# Altium PCB Communication-Shield.PcbDoc
Units mil, origin at the board's own origin, x right, y up, seen from the top; angles counter-clockwise.
Board outline 3937.01 x 3110.24 mil, 2 copper layers (Top Layer, Bottom Layer), stack 65.792 mil thick; 99 components, 68 nets, 329 pads, 240 vias.
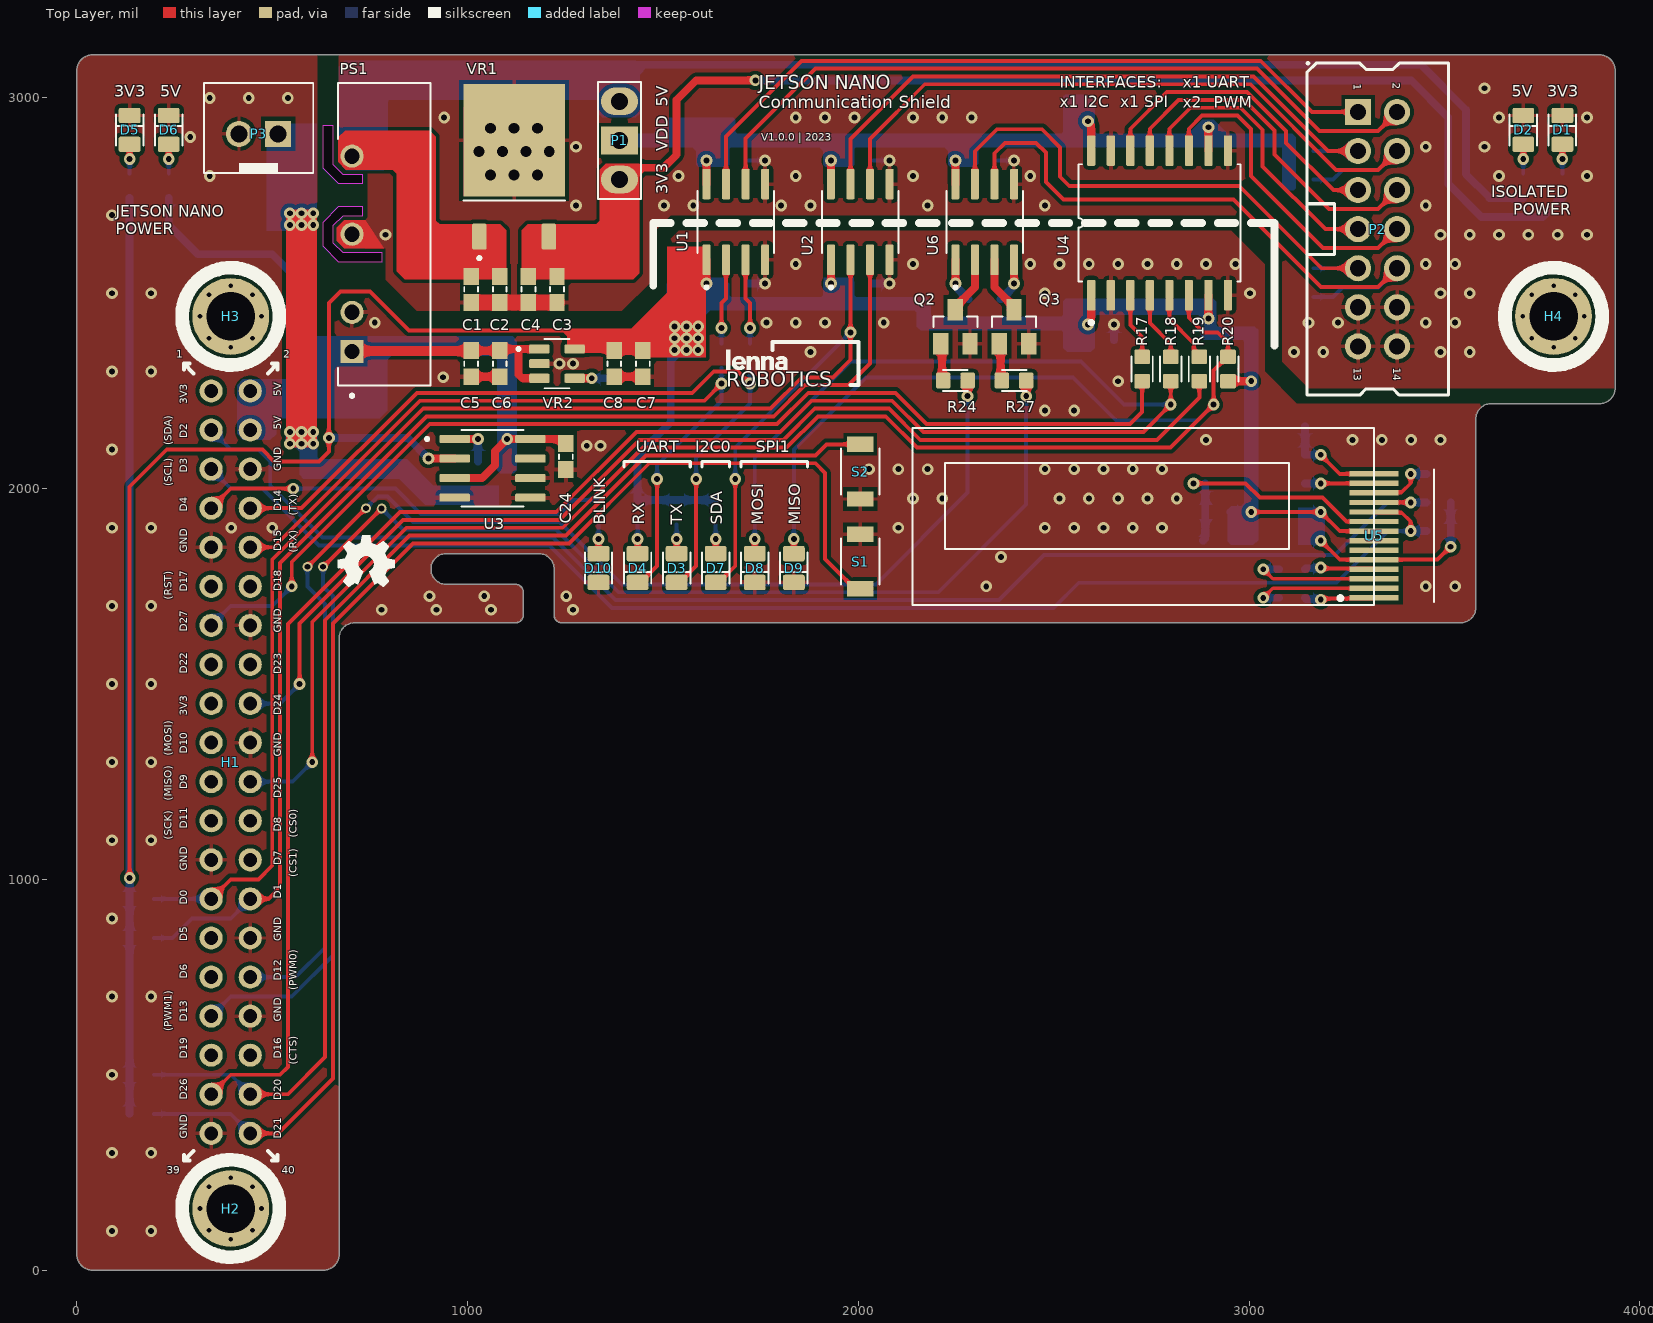
[diagram p0: Top Layer view]
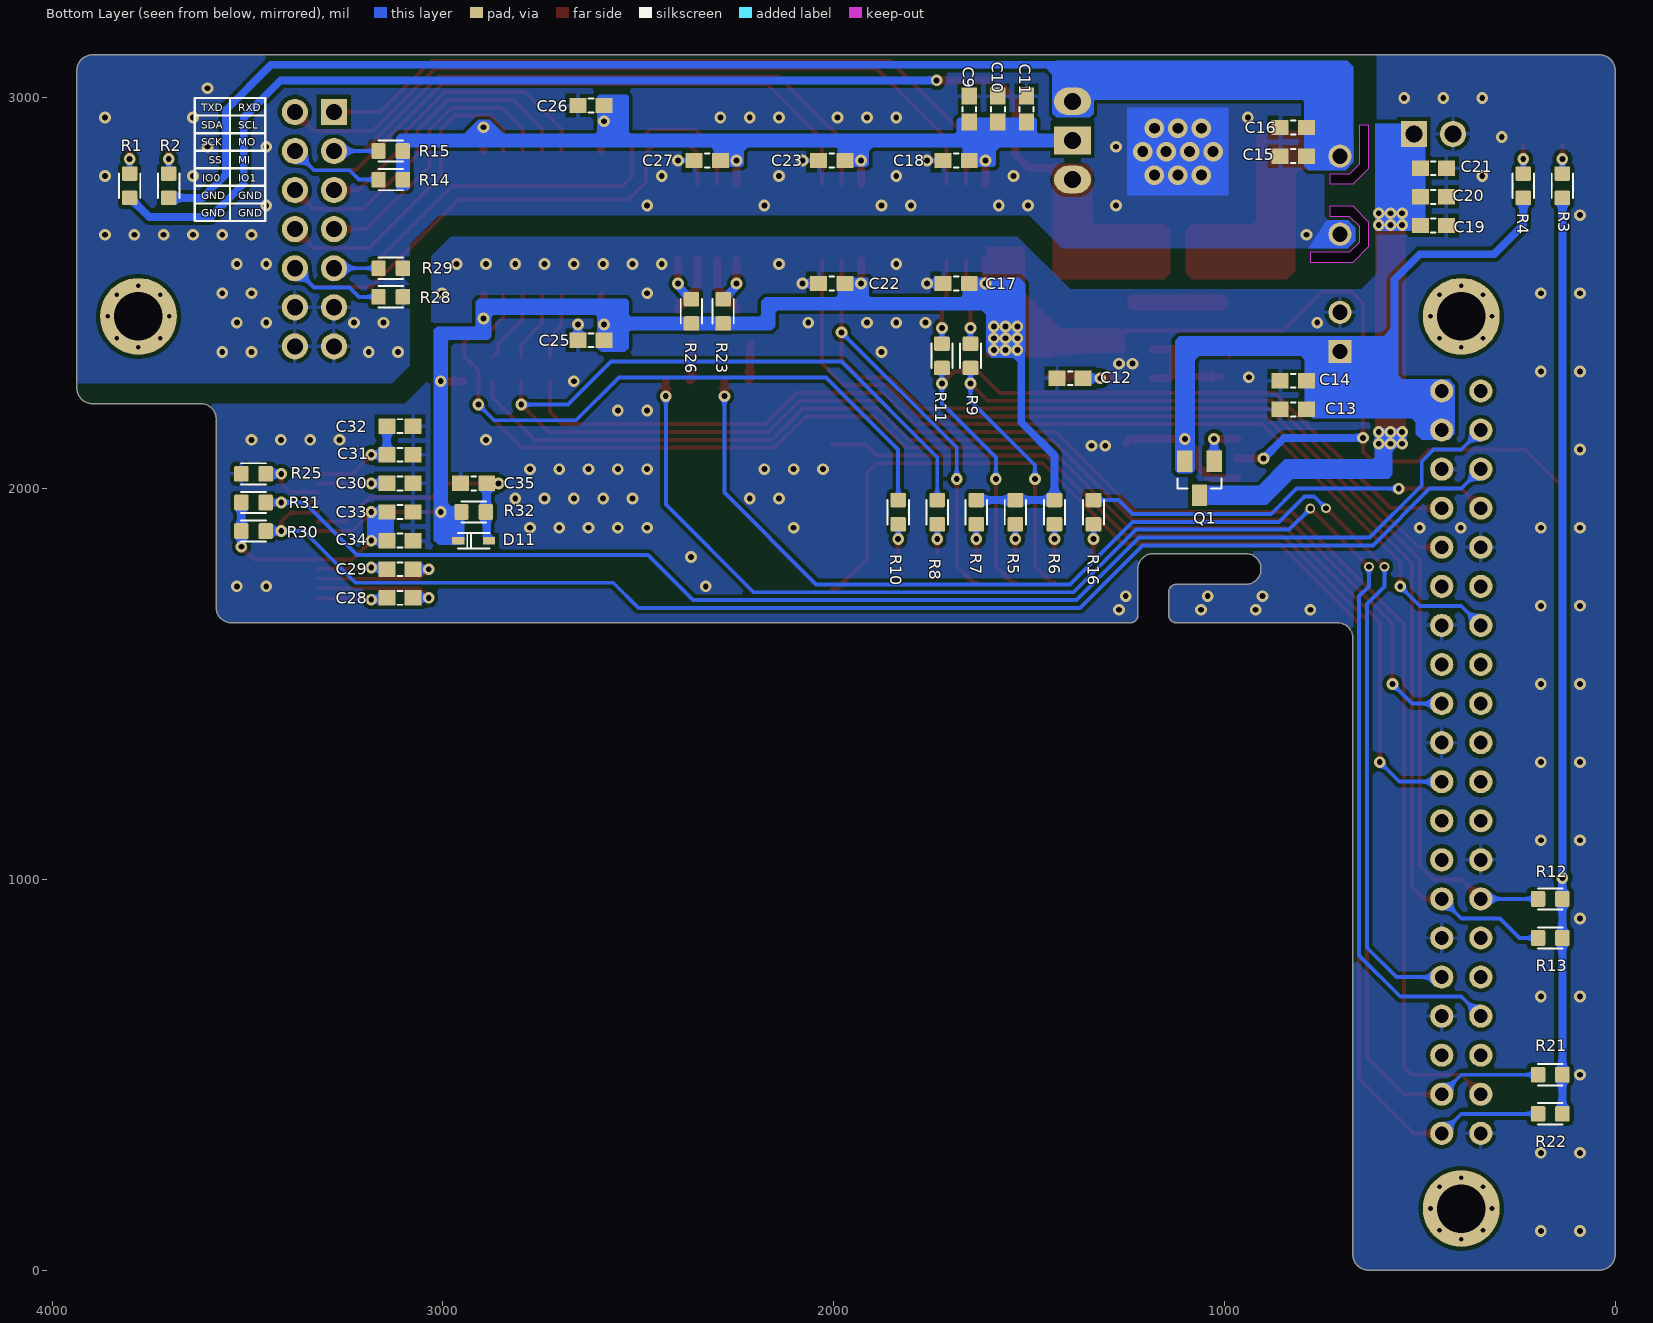
[diagram p1: Bottom Layer view, seen from below]
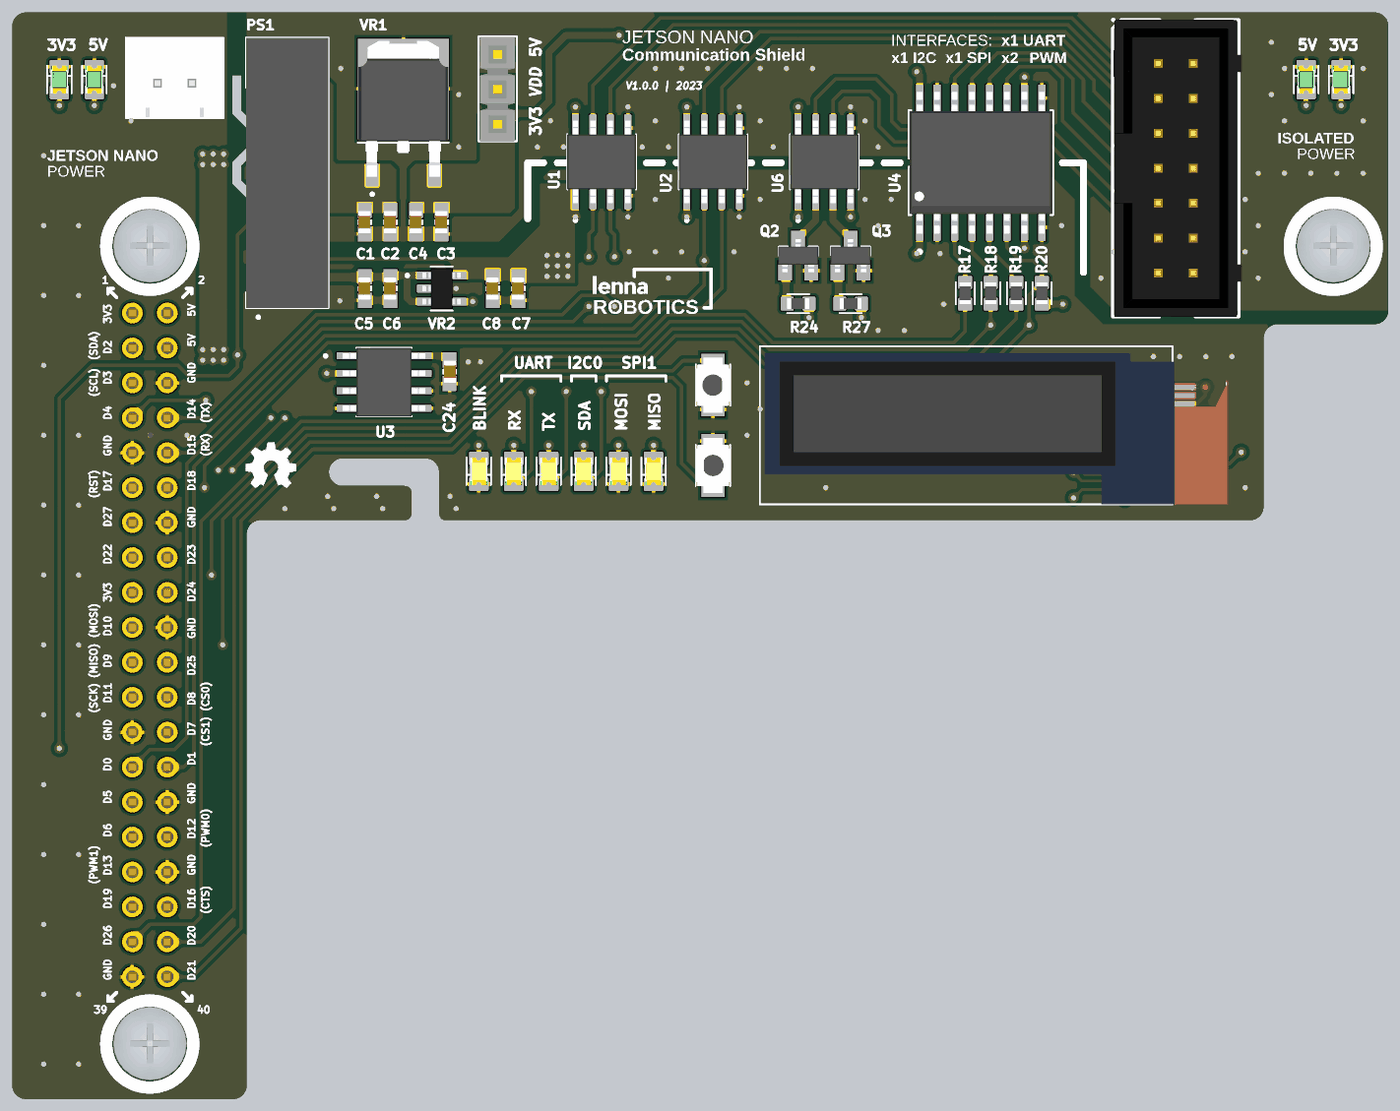
[diagram p2: 3D render of the assembled board from above, using the file's embedded part models]
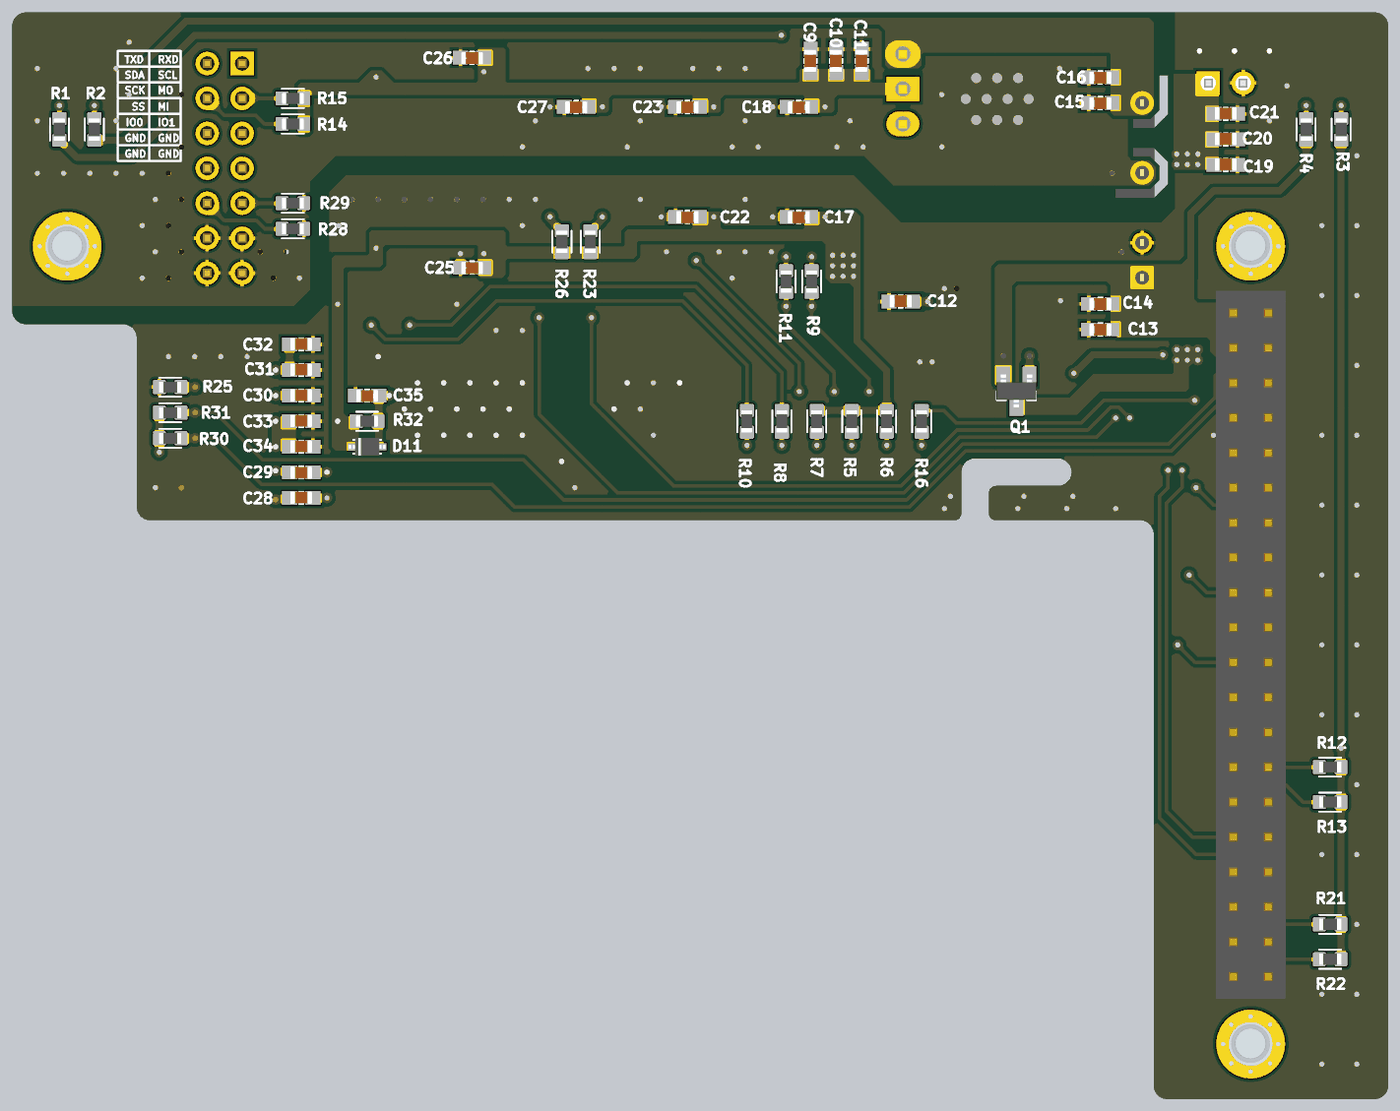
[diagram p3: 3D render of the assembled board from below, using the file's embedded part models]

## Layer stack, top to bottom
Top Solder: solder mask 0.4, Solder Resist, Dk 3.5
Top Layer: signal copper 1.4
Dielectric 1: dielectric 62.9921, FR-4, Dk 4.8
Bottom Layer: signal copper 1.4
Bottom Solder: solder mask 0.4, Solder Resist, Dk 3.5

## Board outline
39.37,0 631.89,0 ccw(c631.89,39.37) 671.26,39.37 671.26,1617.32 cw(c710.63,1617.32) 710.63,1656.69 1122.87,1656.69 ccw(c1122.87,1676.38) 1142.56,1676.38 1142.56,1735.43 ccw(c1122.87,1735.43) 1122.87,1755.12 945.71,1755.12 cw(c945.71,1794.49) 906.34,1794.49 cw(c945.71,1794.49) 945.71,1833.86 1181.93,1833.86 cw(c1181.93,1794.49) 1221.3,1794.49 1221.3,1676.38 ccw(c1240.98,1676.38) 1240.98,1656.69 3541.34,1656.69 ccw(c3541.34,1696.06) 3580.71,1696.06 3580.71,2178.35 cw(c3620.08,2178.35) 3620.08,2217.72 3897.64,2217.72 ccw(c3897.64,2257.09) 3937.01,2257.09 3937.01,3070.87 ccw(c3897.64,3070.87) 3897.64,3110.24 39.37,3110.24 ccw(c39.37,3070.87) 0,3070.87 0,39.37 ccw(c39.37,39.37)
cut-out: 730,2722.37 730,2697.37 680,2697.37 655,2672.37 655,2630 680,2605 780,2605 780,2580 670,2580 630,2620 630,2682.37 670,2722.37
cut-out: 630,2930 655,2930 655,2830 680,2805 730,2805 730,2780 670,2780 630,2820

## Design rules (kind name [scope] priority, off if disabled: settings)
Clearance [All] p1: gap=10 ignorepadtopadclearanceinfootprint=FALSE except(0: Arc-Hole Track-Hole SMDPad-Hole THPad-Hole Via-Hole Fill-Hole Poly-Hole Region-Hole Text-Hole)
PolygonConnect [All] p1: connectstyle=Relief reliefconductorwidth=10 reliefentries=4 polygonreliefangle="90 Angle" airgapwidth=10
RoutingVias [All] p1: holewidth=15 width=30 viastyle="Through Hole" minholewidth=10 minwidth=20 maxholewidth=30 maxwidth=50
SolderMaskExpansion [All] p1: expansion=4 istentingtop=FALSE
Width [All] p1: maxlimit=100 minlimit=6 preferedwidth=10 minimp=50.000000 maximp=50.000000 favimp=50.000000
30 further rules are at their usual default settings.

## Classes and differential pairs
component class Communication-Shield: C2 C3 C4 C5 C8 C11 C18 C20 C21 C25 C27 C29 C30 C32 C33 C34 D1 D4 D5 D6 D7 D8 D9 H1 H2 H3 H4 P1 P2 P3 PS1 Q3 R1 R4 R5 R6 R7 R8 R10 R12 R14 R15 R17 R18 R19 R20 R21 R22 R24 R26 R27 R28 R31 S1 S2 U1 U3 U4 U6 VR1

## Components (designator, comment, footprint, x,y, rotation, side; value= is the part's Value field where it differs from the comment)
C1 "Cap" C0603 1009.16,2510 r90 top locked value=1uF
C2 "Cap" C0603 1082.39,2510 r90 top locked value=100nf
C3 "Cap" C0603 1228.84,2510 r90 top locked value=100nf
C4 "Cap" C0603 1155.61,2510 r90 top locked value=1uF
C5 "Cap" C0603 1009.16,2320 r90 top locked value=1uF
C6 "Cap" C0603 1082.39,2320 r90 top locked value=100nF
C7 "Cap" C0603 1448.53,2320 r90 top locked value=1uF
C8 "Cap" C0603 1375.3,2320 r90 top locked value=100nF
C9 "Cap" C0603 1652.96,2971.63 r90 bottom locked value=100nF
C10 "Cap" C0603 1579.73,2971.63 r90 bottom locked value=100nF
C11 "Cap" C0603 1506.5,2971.63 r90 bottom locked value=1uF
C12 "Cap" C0603 1395,2282.6 r180 bottom locked value=10nF
C13 "Cap" C0603 823.82,2202.96 r0 bottom locked value=100nF
C14 "Cap" C0603 823.82,2276.19 r0 bottom locked value=1uF
C15 "Cap" C0603 823.82,2851.19 r0 bottom value=1uF
C16 "Cap" C0603 823.82,2924.41 r0 bottom value=100nF
C17 "Cap" C0603 1686.42,2525.2 r0 bottom locked value=100nF
C18 "Cap" C0603 1686.42,2840 r0 bottom locked value=100nF
C19 "Cap" C0603 465,2673.54 r180 bottom locked value=100nF
C20 "Cap" C0603 465,2746.77 r180 bottom locked value=100nF
C21 "Cap" C0603 465,2820 r180 bottom locked value=1uF
C22 "Cap" C0603 2005,2525.2 r0 bottom locked value=100nF
C23 "Cap" C0603 2005,2840 r0 bottom locked value=100nF
C24 "Cap" C0603 1251.38,2081.99 r270 top locked value=100nF
C25 "Cap" C0603 2621.15,2380 r0 bottom locked value=100nF
C26 "Cap" C0603 2621.15,2980.55 r0 bottom locked value=100nF
C27 "Cap" C0603 2323.58,2840 r0 bottom locked value=100nF
C28 "Cap" C0603 3110,1720.59 r180 bottom locked value=1uF
C29 "Cap" C0603 3110,1793.82 r0 bottom locked value=1uF
C30 "Cap" C0603 3110,2013.5 r180 bottom locked value=2.2uF
C31 "Cap" C0603 3110,2086.73 r180 bottom locked value=4.7uF
C32 "Cap" C0603 3110,2159.96 r180 bottom locked value=100nF
C33 "Cap" C0603 3110,1940.27 r180 bottom locked value=4.7uF
C34 "Cap" C0603 3110,1867.05 r180 bottom locked value=100nF
C35 "Cap" C0603 2921.54,2013.5 r0 bottom locked value=4.7uF
D1 "Orange" "LED-0805 Green" 3802.01,2918.19 r90 top locked
D2 "Orange" "LED-0805 Green" 3702.01,2918.19 r90 top locked
D3 "Orange" "LED-0805 Orange" 1535,1796.81 r270 top locked
D4 "Orange" "LED-0805 Orange" 1435,1796.81 r270 top locked
D5 "Orange" "LED-0805 Green" 135,2918.19 r90 top locked
D6 "Orange" "LED-0805 Green" 235,2918.19 r90 top locked
D7 "Orange" "LED-0805 Orange" 1635,1796.81 r270 top locked
D8 "Orange" "LED-0805 Orange" 1735,1796.81 r270 top locked
D9 "Orange" "LED-0805 Orange" 1835,1796.81 r270 top locked
D10 "Orange" "LED-0805 Orange" 1335,1796.81 r270 top locked
D11 "1N4148" "SOD-323 Diode" 2921.54,1867.05 r0 bottom locked
H1 "Jetson Nano" "Jetson Nano Header 40-Pin" 393.7,1300 r0 top locked
H2 "Screw" "3mm Screw Hole - 2" 393.7,157.48 r0 top locked
H3 "Screw" "3mm Screw Hole - 2" 393.7,2440.94 r0 top locked
H4 "Screw" "3mm Screw Hole - 2" 3779.53,2440.94 r0 top locked
P1 "Header 3" "Jumper Selector" 1388.87,2991.31 r270 top
P2 "Header 7X2" "IDC 14-Pin 2x7" 3329.11,2664.21 r270 top locked
P3 "Header 2" "XH Connector 2-Pin" 515,2908 r180 top locked
PS1 "B0505LS-1W" B0505LS-1W 786.87,2651.19 r90 top locked
Q1 "MOSFET-P" SOT-23 1063.82,2026.47 r0 bottom locked
Q2 "NPN" SOT-23 2248.58,2414.14 r0 top locked
Q3 "NPN" SOT-23 2398.58,2414.14 r0 top locked
R1 "Res1" R0603 3802.01,2775.28 r90 bottom locked value=1K
R2 "Res1" R0603 3702.01,2775.28 r90 bottom locked value=1K
R3 "Res1" R0603 135,2775.28 r90 bottom locked value=1K
R4 "Res1" R0603 235,2775.28 r90 bottom locked value=1K
R5 "Res1" R0603 1535,1939.72 r270 bottom locked value=1K
R6 "Res1" R0603 1435,1939.72 r270 bottom locked value=1K
R7 "Res1" R0603 1635,1939.72 r270 bottom locked value=1K
R8 "Res1" R0603 1735,1939.72 r270 bottom locked value=1K
R9 "Res1" R0603 1649.81,2340 r270 bottom locked value=27
R10 "Res1" R0603 1835,1939.72 r270 bottom locked value=1K
R11 "Res1" R0603 1723.04,2340 r270 bottom locked value=27
R12 "Res1" R0603 166.1,950 r180 bottom locked value=10K
R13 "Res1" R0603 166.1,850 r180 bottom locked value=10K
R14 "Res1" R0603 3133.95,2790.98 r180 bottom locked value=10K
R15 "Res1" R0603 3133.95,2864.21 r180 bottom locked value=10K
R16 "Res1" R0603 1335,1939.72 r270 bottom locked value=1K
R17 "Res1" R0603 2726.47,2306.34 r270 top locked value=33
R18 "Res1" R0603 2799.7,2306.34 r270 top locked value=33
R19 "Res1" R0603 2872.93,2306.34 r270 top locked value=33
R20 "Res1" R0603 2946.15,2306.34 r90 top locked value=10K
R21 "Res1" R0603 166.1,500 r180 bottom locked value=10K
R22 "Res1" R0603 166.1,400 r180 bottom locked value=10K
R23 "Res1" R0603 2282.91,2453.9 r270 bottom locked value=100
R24 "Res1" R0603 2248.58,2276.81 r0 top locked value=10K
R25 "Res1" R0603 3485,2037.91 r180 bottom locked value=4.7K
R26 "Res1" R0603 2364.24,2453.9 r90 bottom locked value=100
R27 "Res1" R0603 2398.58,2276.81 r0 top locked value=10K
R28 "Res1" R0603 3133.95,2490.98 r180 bottom locked value=10K
R29 "Res1" R0603 3133.95,2564.21 r180 bottom locked value=10K
R30 "Res1" R0603 3485,1891.45 r180 bottom locked value=4.7K
R31 "Res1" R0603 3485,1964.68 r180 bottom locked value=4.7K
R32 "Res1" R0603 2921.54,1940.27 r180 bottom locked value=4.7K
S1 "SW-PB" "Tactile Switch SMD - 2" 2005,1813.52 r90 top locked
S2 "SW-PB" "Tactile Switch SMD - 2" 2005,2043.52 r270 top locked
U1 "ADuM3201" SOIC-8 1686.42,2682.6 r90 top locked
U2 "ADuM1250" SOIC-8 2005,2682.6 r90 top locked
U3 "LM358" SOIC-8 1063.82,2052.11 r0 top locked
U4 "ADuM1401" SOIC-16 2771.15,2680.28 r90 top locked
U5 "SSD1306 OLED 0.91\"" "SSD1306 OLED 0.91\"" 2138.82,2154.88 r0 top locked
U6 "HCPL-2531" SOIC-8 2323.58,2682.6 r90 top locked
VR1 "LF33" "DPAK TO-252" 1119,2885.31 r0 top locked
VR2 "LD3985" SOT23-5 1228.84,2320 r0 top locked

## Footprints (in the part's own frame and the unit in brackets; to place one, negate y for a bottom-side part, rotate by r counter-clockwise, add the part's x,y. Pads: shape width x height; smd on the part's side, far side on the other; paste and mask are expansions set on the pad)
"3mm Screw Hole - 2" [mm] "3mm Screw Hole"
  round 0.6 hole 0.3: S(-2,0) S(-1.414,-1.414) S(-1.414,1.414) S(0,-2) S(0,2) S(1.414,-1.414) S(1.414,1.414) S(2,0)
  round 5 hole 3.15 mask+0.1: S(0,0)
  silkscreen extent -3.16,-3.16 3.16,3.16, body extent -2.67,-2.64 2.69,2.72, height 2.34
B0505LS-1W [mm]
  rect 1.508x1.508 hole 1: 1(-7.62,2.1)
  round 1.508 hole 1: 2(-5.08,2.1) 4(0,2.1) 6(5.08,2.1)
  silkscreen extent -10.6,-3 9.82,3, body extent -9.82,-3 9.82,3, height 10.16
C0603 [mm] "0603 SMD Package"
  rect 1.1x1 smd: 1(-0.85,0) 2(0.85,0)
  silkscreen extent -0.15,-0.45 0.15,0.45, body extent -0.8,-0.42 0.8,0.48, height 0.41
"DPAK TO-252" [mil] "TO-252 Package"
  rrect25% 37x67 smd: 1(-89,-240) 3(89,-240)
  rect 260x288 smd: 2(0,6)
  silkscreen extent -130,-299 130,-148, body extent -129,-246 129,143, height 94
"IDC 14-Pin 2x7" [mm] "IDC 2.54mm 14-Pin 2x7"
  rect 1.7x1.7 hole 1.05: 1(-7.62,-1.27)
  round 1.7 hole 1.05: 2(-7.62,1.27) 3(-5.08,-1.27) 4(-5.08,1.27) 5(-2.54,-1.27) 6(-2.54,1.27) 7(0,-1.27) 8(0,1.27) 9(2.54,-1.27) 10(2.54,1.27) 11(5.08,-1.27) 12(5.08,1.27) 13(7.62,-1.27) 14(7.62,1.27)
  silkscreen extent -10.8,-4.6 10.8,4.6, body extent -10.8,-4.55 10.79,4.83, height 9.27
"Jetson Nano Header 40-Pin" [mm] "Jetson Nano Header Pinout"
  round 1.5 hole 0.9: 1(-1.27,24.13) 2(1.27,24.13) 3(-1.27,21.59) 4(1.27,21.59) 5(-1.27,19.05) 6(1.27,19.05) 7(-1.27,16.51) 8(1.27,16.51) 9(-1.27,13.97) 10(1.27,13.97) 11(-1.27,11.43) 12(1.27,11.43) 13(-1.27,8.89) 14(1.27,8.89) 15(-1.27,6.35) 16(1.27,6.35) 17(-1.27,3.81) 18(1.27,3.81) 19(-1.27,1.27) 20(1.27,1.27) 21(-1.27,-1.27) 22(1.27,-1.27) 23(-1.27,-3.81) 24(1.27,-3.81) 25(-1.27,-6.35) 26(1.27,-6.35) 27(-1.27,-8.89) 28(1.27,-8.89) 29(-1.27,-11.43) 30(1.27,-11.43) 31(-1.27,-13.97) 32(1.27,-13.97) 33(-1.27,-16.51) 34(1.27,-16.51) 35(-1.27,-19.05) 36(1.27,-19.05) 37(-1.27,-21.59) 38(1.27,-21.59) 39(-1.27,-24.13) 40(1.27,-24.13)
  silkscreen extent -3.05,-25.91 3.05,25.91, body extent -2.54,-25.75 2.54,25.75, height 5.19
"Jumper Selector" [mm] "3-Pin Jumper Selector"
  oval 1.8x2.4 hole 1.1: 1(0,0) 3(5.08,0)
  rect 1.8x2.4 hole 1.1: 2(2.54,0)
  silkscreen extent -1.27,-1.4 6.35,1.4, body extent -1.24,-1.27 6.38,1.27, height 10.16
"LED-0805 Green" [mm] "SMD 0805 Package"
  rrect25% 1x1.42 smd: 1(-0.935,0) 2(0.935,0)
  silkscreen extent -1,-0.89 1,0.89, body extent -1.01,-0.63 1.01,0.63, height 1.1
"LED-0805 Orange" [mm] "SMD 0805 Package"
  rrect25% 1x1.42 smd: 1(-0.935,0) 2(0.935,0)
  silkscreen extent -1,-0.89 1,0.89, body extent -1.01,-0.63 1.01,0.63, height 1.1
R0603 [mm] "0603 SMD Package"
  rrect20% 0.94x1.02 smd: 1(-0.79,0) 2(0.79,0)
  silkscreen extent -0.8,-0.69 0.8,0.69, body extent -0.8,-0.4 0.8,0.4, height 0.45
"SOD-323 Diode" [mm] "SOD-323 Package"
  rect 0.8x0.5 smd: 1(-1,0) 2(1,0)
  silkscreen extent -1.02,-0.5 1.02,0.5, body extent -1.34,-0.65 1.34,0.65, height 1.15
SOIC-8 [mil] "SOIC-8 Package"
  rrect25% 78x20 smd: 1(-97,75) 2(-97,25) 3(-97,-25) 4(-97,-75) 5(97,-75) 6(97,-25) 7(97,25) 8(97,75)
  silkscreen extent -171,-98 79,98, body extent -118,-98 118,98, height 69